# KiCad board boatcontrol.kicad_pcb (continued)
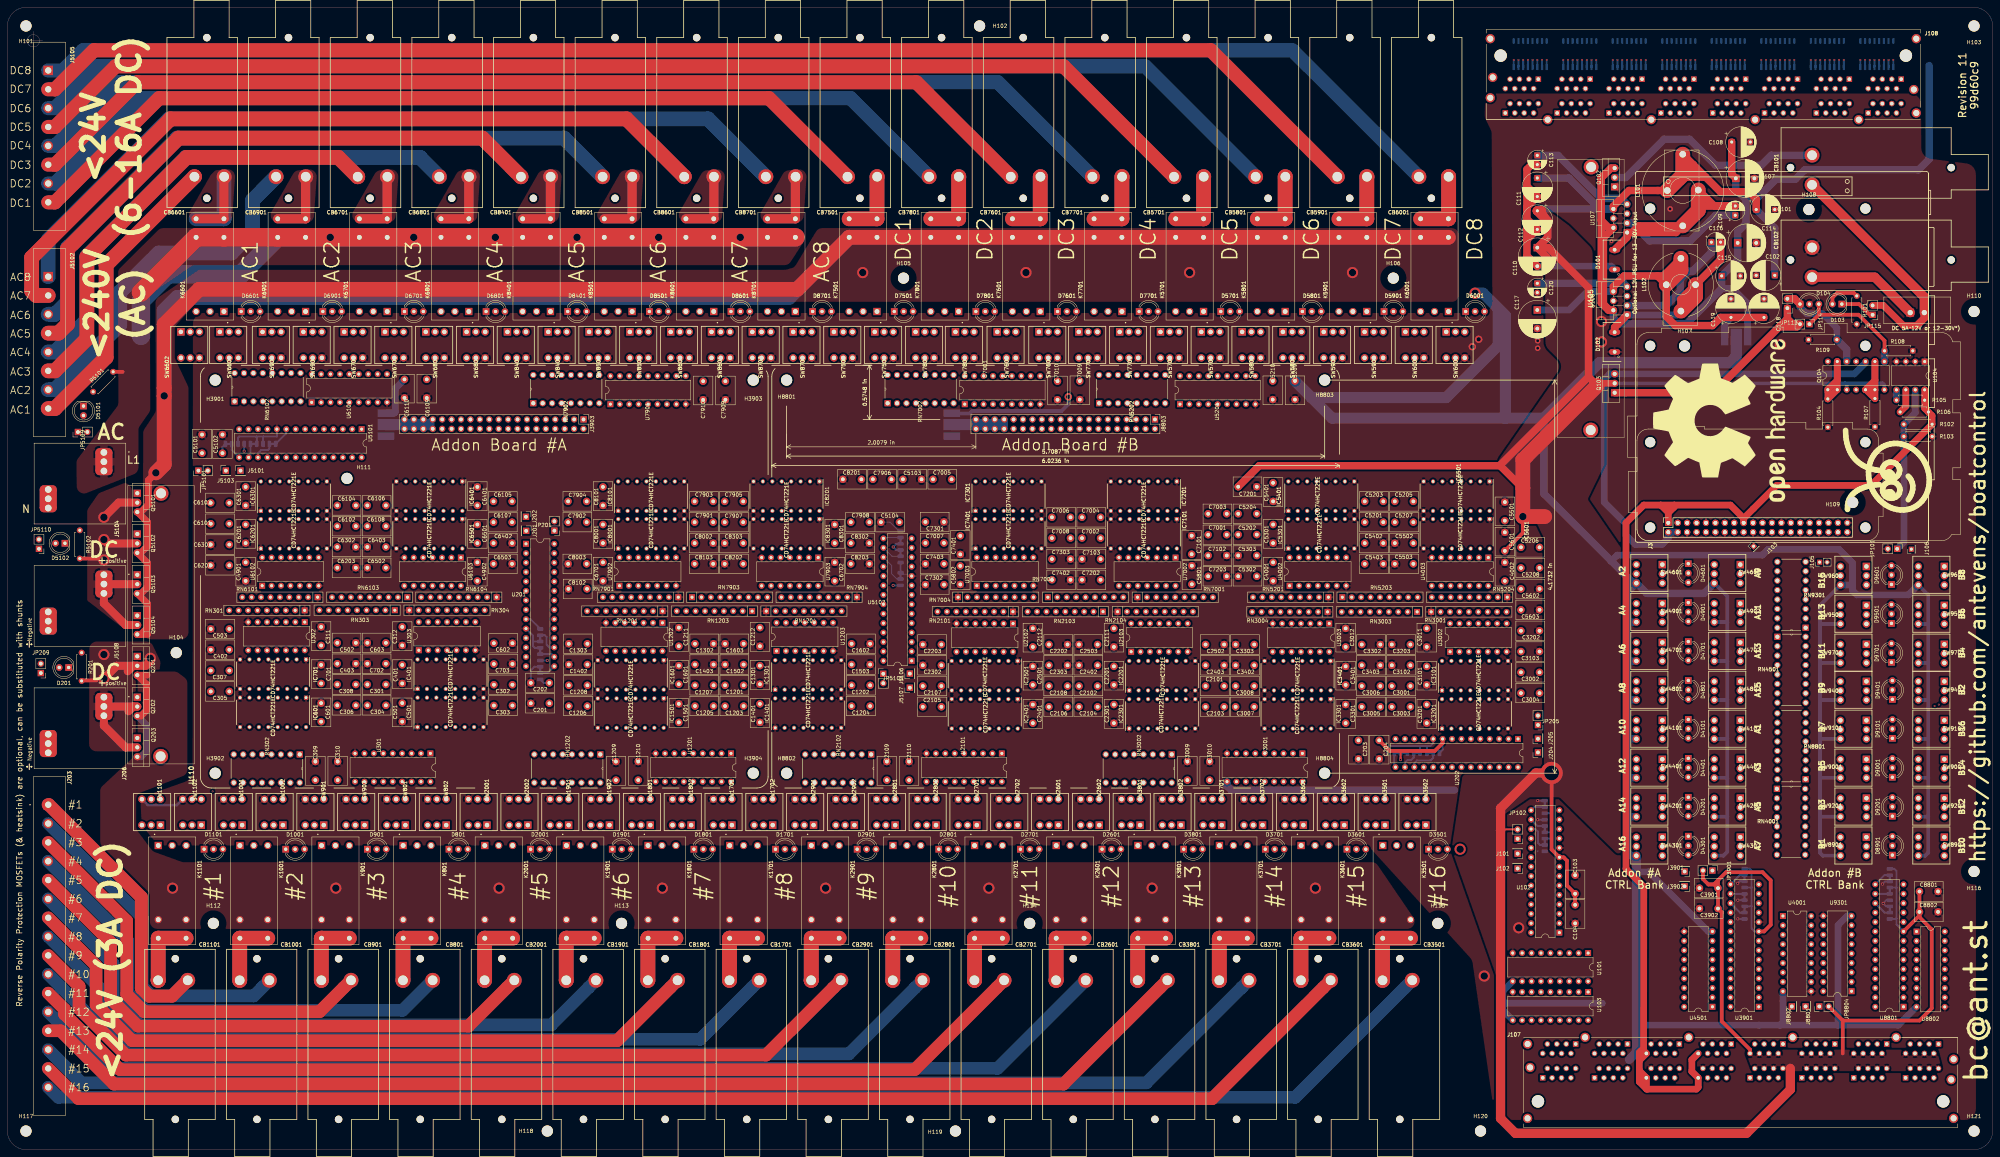
[diagram p0: board, top side]
## Nets (continued)
/12V DC Common Bank/12V DC Block 3/3AC1/DISABLED_INDICATOR: SW2901.3 SW2902.3
/12V DC Common Bank/12V DC Block 3/3AC1/OFF: SW2901.4 U2101.11
/12V DC Common Bank/12V DC Block 3/3AC1/OFF_COIL: K2901.8 RN2102.7 SW2902.2
/12V DC Common Bank/12V DC Block 3/3AC1/OFF_LED: D2901.3 RN2102.10
/12V DC Common Bank/12V DC Block 3/3AC1/OFF_TO_ON: SW2901.5 SW2902.1
/12V DC Common Bank/12V DC Block 3/3AC1/ON: SW2902.4 U2101.12
/12V DC Common Bank/12V DC Block 3/3AC1/ON_COIL: K2901.1 RN2102.8 SW2901.2
/12V DC Common Bank/12V DC Block 3/3AC1/ON_LED: D2901.1 RN2102.9
/12V DC Common Bank/12V DC Block 3/3AC1/ON_TO_OFF: SW2901.1 SW2902.5
/12V DC Common Bank/12V DC Block 3/3AC1/TO_FUSE: CB2901.P1 K2901.4 K2901.5
/12V DC Common Bank/12V DC Block 3/3AC2/DISABLED_INDICATOR: SW2801.3 SW2802.3
/12V DC Common Bank/12V DC Block 3/3AC2/OFF: SW2801.4 U2101.13
/12V DC Common Bank/12V DC Block 3/3AC2/OFF_COIL: K2801.8 RN2102.5 SW2802.2
/12V DC Common Bank/12V DC Block 3/3AC2/OFF_LED: D2801.3 RN2102.12
/12V DC Common Bank/12V DC Block 3/3AC2/OFF_TO_ON: SW2801.5 SW2802.1
/12V DC Common Bank/12V DC Block 3/3AC2/ON: SW2802.4 U2101.14
/12V DC Common Bank/12V DC Block 3/3AC2/ON_COIL: K2801.1 RN2102.6 SW2801.2
/12V DC Common Bank/12V DC Block 3/3AC2/ON_LED: D2801.1 RN2102.11
/12V DC Common Bank/12V DC Block 3/3AC2/ON_TO_OFF: SW2801.1 SW2802.5
/12V DC Common Bank/12V DC Block 3/3AC2/TO_FUSE: CB2801.P1 K2801.4 K2801.5
/12V DC Common Bank/12V DC Block 3/3AC3/DISABLED_INDICATOR: SW2701.3 SW2702.3
/12V DC Common Bank/12V DC Block 3/3AC3/OFF: SW2701.4 U2101.15
/12V DC Common Bank/12V DC Block 3/3AC3/OFF_COIL: K2701.8 RN2102.3 SW2702.2
/12V DC Common Bank/12V DC Block 3/3AC3/OFF_LED: D2701.3 RN2102.14
/12V DC Common Bank/12V DC Block 3/3AC3/OFF_TO_ON: SW2701.5 SW2702.1
/12V DC Common Bank/12V DC Block 3/3AC3/ON: SW2702.4 U2101.16
/12V DC Common Bank/12V DC Block 3/3AC3/ON_COIL: K2701.1 RN2102.4 SW2701.2
/12V DC Common Bank/12V DC Block 3/3AC3/ON_LED: D2701.1 RN2102.13
/12V DC Common Bank/12V DC Block 3/3AC3/ON_TO_OFF: SW2701.1 SW2702.5
/12V DC Common Bank/12V DC Block 3/3AC3/TO_FUSE: CB2701.P1 K2701.4 K2701.5
/12V DC Common Bank/12V DC Block 3/3AC4/DISABLED_INDICATOR: SW2601.3 SW2602.3
/12V DC Common Bank/12V DC Block 3/3AC4/OFF: SW2601.4 U2101.17
/12V DC Common Bank/12V DC Block 3/3AC4/OFF_COIL: K2601.8 RN2102.1 SW2602.2
/12V DC Common Bank/12V DC Block 3/3AC4/OFF_LED: D2601.3 RN2102.16
/12V DC Common Bank/12V DC Block 3/3AC4/OFF_TO_ON: SW2601.5 SW2602.1
/12V DC Common Bank/12V DC Block 3/3AC4/ON: SW2602.4 U2101.18
/12V DC Common Bank/12V DC Block 3/3AC4/ON_COIL: K2601.1 RN2102.2 SW2601.2
/12V DC Common Bank/12V DC Block 3/3AC4/ON_LED: D2601.1 RN2102.15
/12V DC Common Bank/12V DC Block 3/3AC4/ON_TO_OFF: SW2601.1 SW2602.5
/12V DC Common Bank/12V DC Block 3/3AC4/TO_FUSE: CB2601.P1 K2601.4 K2601.5
/12V DC Common Bank/12V DC Block 3/DIG_OFF_C1: RN2101.4 U202.2 U2102.4
/12V DC Common Bank/12V DC Block 3/DIG_OFF_C2: RN2101.9 U202.4 U2102.12
/12V DC Common Bank/12V DC Block 3/DIG_OFF_C3: RN2104.4 U202.6 U2103.4
/12V DC Common Bank/12V DC Block 3/DIG_OFF_C4: RN2104.7 U202.8 U2103.12
/12V DC Common Bank/12V DC Block 3/DIG_ON_C1: RN2101.2 U202.1 U2102.1
/12V DC Common Bank/12V DC Block 3/DIG_ON_C2: RN2101.7 U202.3 U2102.9
/12V DC Common Bank/12V DC Block 3/DIG_ON_C3: RN2104.2 U202.5 U2103.1
/12V DC Common Bank/12V DC Block 3/DIG_ON_C4: RN2104.9 U202.7 U2103.9
/12V DC Common Bank/12V DC Block 3/MultiVibrator3A1/MUX_OFF: IC2201.5 U2101.2
/12V DC Common Bank/12V DC Block 3/MultiVibrator3A1/MUX_ON: IC2201.13 U2101.1
/12V DC Common Bank/12V DC Block 3/MultiVibrator3A1/R1: C2101.1 IC2201.14 RN2103.4
/12V DC Common Bank/12V DC Block 3/MultiVibrator3A1/R2: C2102.1 IC2201.6 RN2103.3
/12V DC Common Bank/12V DC Block 3/MultiVibrator3A1/RC1: C2101.2 IC2201.15
/12V DC Common Bank/12V DC Block 3/MultiVibrator3A1/RC2: C2102.2 IC2201.7
/12V DC Common Bank/12V DC Block 3/MultiVibrator3A2/MUX_OFF: IC2301.5 U2101.4
/12V DC Common Bank/12V DC Block 3/MultiVibrator3A2/MUX_ON: IC2301.13 U2101.3
/12V DC Common Bank/12V DC Block 3/MultiVibrator3A2/R1: C2103.1 IC2301.14 RN2103.2
/12V DC Common Bank/12V DC Block 3/MultiVibrator3A2/R2: C2104.1 IC2301.6 RN2103.5
/12V DC Common Bank/12V DC Block 3/MultiVibrator3A2/RC1: C2103.2 IC2301.15
/12V DC Common Bank/12V DC Block 3/MultiVibrator3A2/RC2: C2104.2 IC2301.7
/12V DC Common Bank/12V DC Block 3/MultiVibrator3A3/MUX_OFF: IC2401.5 U2101.6
/12V DC Common Bank/12V DC Block 3/MultiVibrator3A3/MUX_ON: IC2401.13 U2101.5
/12V DC Common Bank/12V DC Block 3/MultiVibrator3A3/R1: C2105.1 IC2401.14 RN2103.7
/12V DC Common Bank/12V DC Block 3/MultiVibrator3A3/R2: C2106.1 IC2401.6 RN2103.6
/12V DC Common Bank/12V DC Block 3/MultiVibrator3A3/RC1: C2105.2 IC2401.15
/12V DC Common Bank/12V DC Block 3/MultiVibrator3A3/RC2: C2106.2 IC2401.7
/12V DC Common Bank/12V DC Block 3/MultiVibrator3A4/MUX_OFF: IC2501.5 U2101.8
/12V DC Common Bank/12V DC Block 3/MultiVibrator3A4/MUX_ON: IC2501.13 U2101.7
/12V DC Common Bank/12V DC Block 3/MultiVibrator3A4/R1: C2107.1 IC2501.14 RN2103.8
/12V DC Common Bank/12V DC Block 3/MultiVibrator3A4/R2: C2108.1 IC2501.6 RN2103.9
/12V DC Common Bank/12V DC Block 3/MultiVibrator3A4/RC1: C2107.2 IC2501.15
/12V DC Common Bank/12V DC Block 3/MultiVibrator3A4/RC2: C2108.2 IC2501.7
/12V DC Common Bank/12V DC Block 3/OUT_C1: CB2901.P2 J203.9
/12V DC Common Bank/12V DC Block 3/OUT_C2: CB2801.P2 J203.10
/12V DC Common Bank/12V DC Block 3/OUT_C3: CB2701.P2 J203.11
/12V DC Common Bank/12V DC Block 3/OUT_C4: CB2601.P2 J203.12
/12V DC Common Bank/12V DC Block 4/3AC1/DISABLED_INDICATOR: SW3801.3 SW3802.3
/12V DC Common Bank/12V DC Block 4/3AC1/OFF: SW3801.4 U3001.11
/12V DC Common Bank/12V DC Block 4/3AC1/OFF_COIL: K3801.8 RN3002.7 SW3802.2
/12V DC Common Bank/12V DC Block 4/3AC1/OFF_LED: D3801.3 RN3002.10
/12V DC Common Bank/12V DC Block 4/3AC1/OFF_TO_ON: SW3801.5 SW3802.1
/12V DC Common Bank/12V DC Block 4/3AC1/ON: SW3802.4 U3001.12
/12V DC Common Bank/12V DC Block 4/3AC1/ON_COIL: K3801.1 RN3002.8 SW3801.2
/12V DC Common Bank/12V DC Block 4/3AC1/ON_LED: D3801.1 RN3002.9
/12V DC Common Bank/12V DC Block 4/3AC1/ON_TO_OFF: SW3801.1 SW3802.5
/12V DC Common Bank/12V DC Block 4/3AC1/TO_FUSE: CB3801.P1 K3801.4 K3801.5
/12V DC Common Bank/12V DC Block 4/3AC2/DISABLED_INDICATOR: SW3701.3 SW3702.3
/12V DC Common Bank/12V DC Block 4/3AC2/OFF: SW3701.4 U3001.13
/12V DC Common Bank/12V DC Block 4/3AC2/OFF_COIL: K3701.8 RN3002.5 SW3702.2
/12V DC Common Bank/12V DC Block 4/3AC2/OFF_LED: D3701.3 RN3002.12
/12V DC Common Bank/12V DC Block 4/3AC2/OFF_TO_ON: SW3701.5 SW3702.1
/12V DC Common Bank/12V DC Block 4/3AC2/ON: SW3702.4 U3001.14
/12V DC Common Bank/12V DC Block 4/3AC2/ON_COIL: K3701.1 RN3002.6 SW3701.2
/12V DC Common Bank/12V DC Block 4/3AC2/ON_LED: D3701.1 RN3002.11
/12V DC Common Bank/12V DC Block 4/3AC2/ON_TO_OFF: SW3701.1 SW3702.5
/12V DC Common Bank/12V DC Block 4/3AC2/TO_FUSE: CB3701.P1 K3701.4 K3701.5
/12V DC Common Bank/12V DC Block 4/3AC3/DISABLED_INDICATOR: SW3601.3 SW3602.3
/12V DC Common Bank/12V DC Block 4/3AC3/OFF: SW3601.4 U3001.15
/12V DC Common Bank/12V DC Block 4/3AC3/OFF_COIL: K3601.8 RN3002.3 SW3602.2
/12V DC Common Bank/12V DC Block 4/3AC3/OFF_LED: D3601.3 RN3002.14
/12V DC Common Bank/12V DC Block 4/3AC3/OFF_TO_ON: SW3601.5 SW3602.1
/12V DC Common Bank/12V DC Block 4/3AC3/ON: SW3602.4 U3001.16
/12V DC Common Bank/12V DC Block 4/3AC3/ON_COIL: K3601.1 RN3002.4 SW3601.2
/12V DC Common Bank/12V DC Block 4/3AC3/ON_LED: D3601.1 RN3002.13
/12V DC Common Bank/12V DC Block 4/3AC3/ON_TO_OFF: SW3601.1 SW3602.5
/12V DC Common Bank/12V DC Block 4/3AC3/TO_FUSE: CB3601.P1 K3601.4 K3601.5
/12V DC Common Bank/12V DC Block 4/3AC4/DISABLED_INDICATOR: SW3501.3 SW3502.3
/12V DC Common Bank/12V DC Block 4/3AC4/OFF: SW3501.4 U3001.17
/12V DC Common Bank/12V DC Block 4/3AC4/OFF_COIL: K3501.8 RN3002.1 SW3502.2
/12V DC Common Bank/12V DC Block 4/3AC4/OFF_LED: D3501.3 RN3002.16
/12V DC Common Bank/12V DC Block 4/3AC4/OFF_TO_ON: SW3501.5 SW3502.1
/12V DC Common Bank/12V DC Block 4/3AC4/ON: SW3502.4 U3001.18
/12V DC Common Bank/12V DC Block 4/3AC4/ON_COIL: K3501.1 RN3002.2 SW3501.2
/12V DC Common Bank/12V DC Block 4/3AC4/ON_LED: D3501.1 RN3002.15
/12V DC Common Bank/12V DC Block 4/3AC4/ON_TO_OFF: SW3501.1 SW3502.5
/12V DC Common Bank/12V DC Block 4/3AC4/TO_FUSE: CB3501.P1 K3501.4 K3501.5
/12V DC Common Bank/12V DC Block 4/DIG_OFF_C1: RN3001.4 U202.22 U3002.4
/12V DC Common Bank/12V DC Block 4/DIG_OFF_C2: RN3001.9 U202.24 U3002.12
/12V DC Common Bank/12V DC Block 4/DIG_OFF_C3: RN3004.4 U202.26 U3003.4
/12V DC Common Bank/12V DC Block 4/DIG_OFF_C4: RN3004.7 U202.28 U3003.12
/12V DC Common Bank/12V DC Block 4/DIG_ON_C1: RN3001.2 U202.21 U3002.1
/12V DC Common Bank/12V DC Block 4/DIG_ON_C2: RN3001.7 U202.23 U3002.9
/12V DC Common Bank/12V DC Block 4/DIG_ON_C3: RN3004.2 U202.25 U3003.1
/12V DC Common Bank/12V DC Block 4/DIG_ON_C4: RN3004.9 U202.27 U3003.9
/12V DC Common Bank/12V DC Block 4/MultiVibrator3A1/MUX_OFF: IC3101.5 U3001.2
/12V DC Common Bank/12V DC Block 4/MultiVibrator3A1/MUX_ON: IC3101.13 U3001.1
/12V DC Common Bank/12V DC Block 4/MultiVibrator3A1/R1: C3001.1 IC3101.14 RN3003.4
/12V DC Common Bank/12V DC Block 4/MultiVibrator3A1/R2: C3002.1 IC3101.6 RN3003.3
/12V DC Common Bank/12V DC Block 4/MultiVibrator3A1/RC1: C3001.2 IC3101.15
/12V DC Common Bank/12V DC Block 4/MultiVibrator3A1/RC2: C3002.2 IC3101.7
/12V DC Common Bank/12V DC Block 4/MultiVibrator3A2/MUX_OFF: IC3201.5 U3001.4
/12V DC Common Bank/12V DC Block 4/MultiVibrator3A2/MUX_ON: IC3201.13 U3001.3
/12V DC Common Bank/12V DC Block 4/MultiVibrator3A2/R1: C3003.1 IC3201.14 RN3003.2
/12V DC Common Bank/12V DC Block 4/MultiVibrator3A2/R2: C3004.1 IC3201.6 RN3003.5
/12V DC Common Bank/12V DC Block 4/MultiVibrator3A2/RC1: C3003.2 IC3201.15
/12V DC Common Bank/12V DC Block 4/MultiVibrator3A2/RC2: C3004.2 IC3201.7
/12V DC Common Bank/12V DC Block 4/MultiVibrator3A3/MUX_OFF: IC3301.5 U3001.6
/12V DC Common Bank/12V DC Block 4/MultiVibrator3A3/MUX_ON: IC3301.13 U3001.5
/12V DC Common Bank/12V DC Block 4/MultiVibrator3A3/R1: C3005.1 IC3301.14 RN3003.7
/12V DC Common Bank/12V DC Block 4/MultiVibrator3A3/R2: C3006.1 IC3301.6 RN3003.6
/12V DC Common Bank/12V DC Block 4/MultiVibrator3A3/RC1: C3005.2 IC3301.15
/12V DC Common Bank/12V DC Block 4/MultiVibrator3A3/RC2: C3006.2 IC3301.7
/12V DC Common Bank/12V DC Block 4/MultiVibrator3A4/MUX_OFF: IC3401.5 U3001.8
/12V DC Common Bank/12V DC Block 4/MultiVibrator3A4/MUX_ON: IC3401.13 U3001.7
/12V DC Common Bank/12V DC Block 4/MultiVibrator3A4/R1: C3007.1 IC3401.14 RN3003.8
/12V DC Common Bank/12V DC Block 4/MultiVibrator3A4/R2: C3008.1 IC3401.6 RN3003.9
/12V DC Common Bank/12V DC Block 4/MultiVibrator3A4/RC1: C3007.2 IC3401.15
/12V DC Common Bank/12V DC Block 4/MultiVibrator3A4/RC2: C3008.2 IC3401.7
/12V DC Common Bank/12V DC Block 4/OUT_C1: CB3801.P2 J203.13
/12V DC Common Bank/12V DC Block 4/OUT_C2: CB3701.P2 J203.14
/12V DC Common Bank/12V DC Block 4/OUT_C3: CB3601.P2 J203.15
/12V DC Common Bank/12V DC Block 4/OUT_C4: CB3501.P2 J203.16
/A1: J108.P_1 RN101.1
/A2: J108.P_3 RN101.2
/A3: J108.P_5 RN101.3
/A4: J108.P_7 RN101.4
/Add-On Relay Board 1/A2C_A1: JP111.2 U3901.16
/Add-On Relay Board 1/ADDON_C1_OFF: J107.E_5 RN4001.10 U3901.2 U4001.7
/Add-On Relay Board 1/ADDON_C1_ON: J107.E_7 RN4001.9 U3901.1 U4001.8
/Add-On Relay Board 1/ADDON_C2_OFF: J107.E_1 RN4001.12 U3901.4 U4001.5
/Add-On Relay Board 1/ADDON_C2_ON: J107.E_3 RN4001.11 U3901.3 U4001.6
/Add-On Relay Board 1/ADDON_C3_OFF: J107.F_5 RN4001.14 U3901.6 U4001.3
/Add-On Relay Board 1/ADDON_C3_ON: J107.F_7 RN4001.13 U3901.5 U4001.4
/Add-On Relay Board 1/ADDON_C4_OFF: J107.F_1 RN4001.16 U3901.8 U4001.1
/Add-On Relay Board 1/ADDON_C4_ON: J107.F_3 RN4001.15 U3901.7 U4001.2
/Add-On Relay Board 1/ADDON_C5_OFF: J107.G_5 RN4501.10 U3901.22 U4501.7
/Add-On Relay Board 1/ADDON_C5_ON: J107.G_7 RN4501.9 U3901.21 U4501.8
/Add-On Relay Board 1/ADDON_C6_OFF: J107.G_1 RN4501.12 U3901.24 U4501.5
/Add-On Relay Board 1/ADDON_C6_ON: J107.G_3 RN4501.11 U3901.23 U4501.6
/Add-On Relay Board 1/ADDON_C7_OFF: J107.H_5 RN4501.14 U3901.26 U4501.3
/Add-On Relay Board 1/ADDON_C7_ON: J107.H_7 RN4501.13 U3901.25 U4501.4
/Add-On Relay Board 1/ADDON_C8_OFF: J107.H_1 RN4501.16 U3901.28 U4501.1
/Add-On Relay Board 1/ADDON_C8_ON: J107.H_3 RN4501.15 U3901.27 U4501.2
/Add-On Relay Board 1/I2C_A0: JP112.2 U3901.15
/Add-On Relay Board 1/I2C_A2: JP109.2 U3901.17
/Add-On Relay Board 1/INT_A: J3901.1 U3901.19
/Add-On Relay Board 1/INT_B: J3902.1 U3901.20
/Add-On Relay Board 1/MixedBlock1/MixedControl1/DIG_OFF: SW4101.4 U4001.17
/Add-On Relay Board 1/MixedBlock1/MixedControl1/DIG_ON: SW4102.4 U4001.18
/Add-On Relay Board 1/MixedBlock1/MixedControl1/DISABLED_INDICATOR: SW4101.3 SW4102.3
/Add-On Relay Board 1/MixedBlock1/MixedControl1/OFF_LED: D4101.3 RN4001.2
/Add-On Relay Board 1/MixedBlock1/MixedControl1/OFF_TO_ON: SW4101.1 SW4102.5
/Add-On Relay Board 1/MixedBlock1/MixedControl1/ON_LED: D4101.1 RN4001.1
/Add-On Relay Board 1/MixedBlock1/MixedControl1/ON_TO_OFF: SW4101.5 SW4102.1
/Add-On Relay Board 1/MixedBlock1/MixedControl2/DIG_OFF: SW4401.4 U4001.15
/Add-On Relay Board 1/MixedBlock1/MixedControl2/DIG_ON: SW4402.4 U4001.16
/Add-On Relay Board 1/MixedBlock1/MixedControl2/DISABLED_INDICATOR: SW4401.3 SW4402.3
/Add-On Relay Board 1/MixedBlock1/MixedControl2/OFF_LED: D4401.3 RN4001.4
/Add-On Relay Board 1/MixedBlock1/MixedControl2/OFF_TO_ON: SW4401.1 SW4402.5
/Add-On Relay Board 1/MixedBlock1/MixedControl2/ON_LED: D4401.1 RN4001.3
/Add-On Relay Board 1/MixedBlock1/MixedControl2/ON_TO_OFF: SW4401.5 SW4402.1
/Add-On Relay Board 1/MixedBlock1/MixedControl3/DIG_OFF: SW4201.4 U4001.13
/Add-On Relay Board 1/MixedBlock1/MixedControl3/DIG_ON: SW4202.4 U4001.14
/Add-On Relay Board 1/MixedBlock1/MixedControl3/DISABLED_INDICATOR: SW4201.3 SW4202.3
/Add-On Relay Board 1/MixedBlock1/MixedControl3/OFF_LED: D4201.3 RN4001.6
/Add-On Relay Board 1/MixedBlock1/MixedControl3/OFF_TO_ON: SW4201.1 SW4202.5
/Add-On Relay Board 1/MixedBlock1/MixedControl3/ON_LED: D4201.1 RN4001.5
/Add-On Relay Board 1/MixedBlock1/MixedControl3/ON_TO_OFF: SW4201.5 SW4202.1
/Add-On Relay Board 1/MixedBlock1/MixedControl4/DIG_OFF: SW4301.4 U4001.11
/Add-On Relay Board 1/MixedBlock1/MixedControl4/DIG_ON: SW4302.4 U4001.12
/Add-On Relay Board 1/MixedBlock1/MixedControl4/DISABLED_INDICATOR: SW4301.3 SW4302.3
/Add-On Relay Board 1/MixedBlock1/MixedControl4/OFF_LED: D4301.3 RN4001.8
/Add-On Relay Board 1/MixedBlock1/MixedControl4/OFF_TO_ON: SW4301.1 SW4302.5
/Add-On Relay Board 1/MixedBlock1/MixedControl4/ON_LED: D4301.1 RN4001.7
/Add-On Relay Board 1/MixedBlock1/MixedControl4/ON_TO_OFF: SW4301.5 SW4302.1
/Add-On Relay Board 1/MixedBlock1/OFF_SIGNAL_1: J3903.19 J3903.20 SW4101.2
/Add-On Relay Board 1/MixedBlock1/OFF_SIGNAL_2: J3903.23 J3903.24 SW4401.2
/Add-On Relay Board 1/MixedBlock1/OFF_SIGNAL_3: J3903.27 J3903.28 SW4201.2
/Add-On Relay Board 1/MixedBlock1/OFF_SIGNAL_4: J3903.31 J3903.32 SW4301.2
/Add-On Relay Board 1/MixedBlock1/ON_SIGNAL_1: J3903.1 J3903.2 SW4102.2
/Add-On Relay Board 1/MixedBlock1/ON_SIGNAL_2: J3903.5 J3903.6 SW4402.2
/Add-On Relay Board 1/MixedBlock1/ON_SIGNAL_3: J3903.9 J3903.10 SW4202.2
/Add-On Relay Board 1/MixedBlock1/ON_SIGNAL_4: J3903.13 J3903.14 SW4302.2
/Add-On Relay Board 1/MixedBlock2/MixedControl1/DIG_OFF: SW4601.4 U4501.17
/Add-On Relay Board 1/MixedBlock2/MixedControl1/DIG_ON: SW4602.4 U4501.18
/Add-On Relay Board 1/MixedBlock2/MixedControl1/DISABLED_INDICATOR: SW4601.3 SW4602.3
/Add-On Relay Board 1/MixedBlock2/MixedControl1/OFF_LED: D4601.3 RN4501.2
/Add-On Relay Board 1/MixedBlock2/MixedControl1/OFF_TO_ON: SW4601.1 SW4602.5
/Add-On Relay Board 1/MixedBlock2/MixedControl1/ON_LED: D4601.1 RN4501.1
/Add-On Relay Board 1/MixedBlock2/MixedControl1/ON_TO_OFF: SW4601.5 SW4602.1
/Add-On Relay Board 1/MixedBlock2/MixedControl2/DIG_OFF: SW4901.4 U4501.15
/Add-On Relay Board 1/MixedBlock2/MixedControl2/DIG_ON: SW4902.4 U4501.16
/Add-On Relay Board 1/MixedBlock2/MixedControl2/DISABLED_INDICATOR: SW4901.3 SW4902.3
/Add-On Relay Board 1/MixedBlock2/MixedControl2/OFF_LED: D4901.3 RN4501.4
/Add-On Relay Board 1/MixedBlock2/MixedControl2/OFF_TO_ON: SW4901.1 SW4902.5
/Add-On Relay Board 1/MixedBlock2/MixedControl2/ON_LED: D4901.1 RN4501.3
/Add-On Relay Board 1/MixedBlock2/MixedControl2/ON_TO_OFF: SW4901.5 SW4902.1
/Add-On Relay Board 1/MixedBlock2/MixedControl3/DIG_OFF: SW4701.4 U4501.13
/Add-On Relay Board 1/MixedBlock2/MixedControl3/DIG_ON: SW4702.4 U4501.14
/Add-On Relay Board 1/MixedBlock2/MixedControl3/DISABLED_INDICATOR: SW4701.3 SW4702.3
/Add-On Relay Board 1/MixedBlock2/MixedControl3/OFF_LED: D4701.3 RN4501.6
/Add-On Relay Board 1/MixedBlock2/MixedControl3/OFF_TO_ON: SW4701.1 SW4702.5
/Add-On Relay Board 1/MixedBlock2/MixedControl3/ON_LED: D4701.1 RN4501.5
/Add-On Relay Board 1/MixedBlock2/MixedControl3/ON_TO_OFF: SW4701.5 SW4702.1
/Add-On Relay Board 1/MixedBlock2/MixedControl4/DIG_OFF: SW4801.4 U4501.11
/Add-On Relay Board 1/MixedBlock2/MixedControl4/DIG_ON: SW4802.4 U4501.12
/Add-On Relay Board 1/MixedBlock2/MixedControl4/DISABLED_INDICATOR: SW4801.3 SW4802.3
/Add-On Relay Board 1/MixedBlock2/MixedControl4/OFF_LED: D4801.3 RN4501.8
/Add-On Relay Board 1/MixedBlock2/MixedControl4/OFF_TO_ON: SW4801.1 SW4802.5
/Add-On Relay Board 1/MixedBlock2/MixedControl4/ON_LED: D4801.1 RN4501.7
/Add-On Relay Board 1/MixedBlock2/MixedControl4/ON_TO_OFF: SW4801.5 SW4802.1
/Add-On Relay Board 1/MixedBlock2/OFF_SIGNAL_1: J3903.3 J3903.4 SW4601.2
/Add-On Relay Board 1/MixedBlock2/OFF_SIGNAL_2: J3903.7 J3903.8 SW4901.2
/Add-On Relay Board 1/MixedBlock2/OFF_SIGNAL_3: J3903.11 J3903.12 SW4701.2
/Add-On Relay Board 1/MixedBlock2/OFF_SIGNAL_4: J3903.15 J3903.16 SW4801.2
/Add-On Relay Board 1/MixedBlock2/ON_SIGNAL_1: J3903.17 J3903.18 SW4602.2
/Add-On Relay Board 1/MixedBlock2/ON_SIGNAL_2: J3903.21 J3903.22 SW4902.2
/Add-On Relay Board 1/MixedBlock2/ON_SIGNAL_3: J3903.25 J3903.26 SW4702.2
/Add-On Relay Board 1/MixedBlock2/ON_SIGNAL_4: J3903.29 J3903.30 SW4802.2
/Add-On Relay Board 1/RST: JP3901.1 U3901.18
/Add-On Relay Board 2/A2C_A1: JP107.2 U8801.16
/Add-On Relay Board 2/ADDON_C1_OFF: J107.M_3 RN8801.10 U8801.2 U8802.7
/Add-On Relay Board 2/ADDON_C1_ON: J107.M_1 RN8801.9 U8801.1 U8802.8
/Add-On Relay Board 2/ADDON_C2_OFF: J107.M_7 RN8801.12 U8801.4 U8802.5
/Add-On Relay Board 2/ADDON_C2_ON: J107.M_5 RN8801.11 U8801.3 U8802.6
/Add-On Relay Board 2/ADDON_C3_OFF: J107.N_3 RN8801.14 U8801.6 U8802.3
/Add-On Relay Board 2/ADDON_C3_ON: J107.N_1 RN8801.13 U8801.5 U8802.4
/Add-On Relay Board 2/ADDON_C4_OFF: J107.N_7 RN8801.16 U8801.8 U8802.1
/Add-On Relay Board 2/ADDON_C4_ON: J107.N_5 RN8801.15 U8801.7 U8802.2
/Add-On Relay Board 2/ADDON_C5_OFF: J107.O_3 RN9301.10 U8801.22 U9301.7
/Add-On Relay Board 2/ADDON_C5_ON: J107.O_1 RN9301.9 U8801.21 U9301.8
/Add-On Relay Board 2/ADDON_C6_OFF: J107.O_7 RN9301.12 U8801.24 U9301.5
/Add-On Relay Board 2/ADDON_C6_ON: J107.O_5 RN9301.11 U8801.23 U9301.6
/Add-On Relay Board 2/ADDON_C7_OFF: J107.P_3 RN9301.14 U8801.26 U9301.3
/Add-On Relay Board 2/ADDON_C7_ON: J107.P_1 RN9301.13 U8801.25 U9301.4
/Add-On Relay Board 2/ADDON_C8_OFF: J107.P_7 RN9301.16 U8801.28 U9301.1
/Add-On Relay Board 2/ADDON_C8_ON: J107.P_5 RN9301.15 U8801.27 U9301.2
/Add-On Relay Board 2/I2C_A0: JP108.2 U8801.15
/Add-On Relay Board 2/I2C_A2: JP106.2 U8801.17
/Add-On Relay Board 2/INT_A: J8801.1 U8801.19
/Add-On Relay Board 2/INT_B: J8802.1 U8801.20
/Add-On Relay Board 2/MixedBlock1/MixedControl1/DIG_OFF: SW8902.4 U8802.17
/Add-On Relay Board 2/MixedBlock1/MixedControl1/DIG_ON: SW8901.4 U8802.18
/Add-On Relay Board 2/MixedBlock1/MixedControl1/DISABLED_INDICATOR: SW8901.3 SW8902.3
/Add-On Relay Board 2/MixedBlock1/MixedControl1/OFF_LED: D8901.3 RN8801.2
/Add-On Relay Board 2/MixedBlock1/MixedControl1/OFF_TO_ON: SW8901.5 SW8902.1
/Add-On Relay Board 2/MixedBlock1/MixedControl1/ON_LED: D8901.1 RN8801.1
/Add-On Relay Board 2/MixedBlock1/MixedControl1/ON_TO_OFF: SW8901.1 SW8902.5
/Add-On Relay Board 2/MixedBlock1/MixedControl2/DIG_OFF: SW9202.4 U8802.15
/Add-On Relay Board 2/MixedBlock1/MixedControl2/DIG_ON: SW9201.4 U8802.16
/Add-On Relay Board 2/MixedBlock1/MixedControl2/DISABLED_INDICATOR: SW9201.3 SW9202.3
/Add-On Relay Board 2/MixedBlock1/MixedControl2/OFF_LED: D9201.3 RN8801.4
/Add-On Relay Board 2/MixedBlock1/MixedControl2/OFF_TO_ON: SW9201.5 SW9202.1
/Add-On Relay Board 2/MixedBlock1/MixedControl2/ON_LED: D9201.1 RN8801.3
/Add-On Relay Board 2/MixedBlock1/MixedControl2/ON_TO_OFF: SW9201.1 SW9202.5
/Add-On Relay Board 2/MixedBlock1/MixedControl3/DIG_OFF: SW9002.4 U8802.13
/Add-On Relay Board 2/MixedBlock1/MixedControl3/DIG_ON: SW9001.4 U8802.14
/Add-On Relay Board 2/MixedBlock1/MixedControl3/DISABLED_INDICATOR: SW9001.3 SW9002.3
/Add-On Relay Board 2/MixedBlock1/MixedControl3/OFF_LED: D9001.3 RN8801.6
/Add-On Relay Board 2/MixedBlock1/MixedControl3/OFF_TO_ON: SW9001.5 SW9002.1
/Add-On Relay Board 2/MixedBlock1/MixedControl3/ON_LED: D9001.1 RN8801.5
/Add-On Relay Board 2/MixedBlock1/MixedControl3/ON_TO_OFF: SW9001.1 SW9002.5
/Add-On Relay Board 2/MixedBlock1/MixedControl4/DIG_OFF: SW9102.4 U8802.11
/Add-On Relay Board 2/MixedBlock1/MixedControl4/DIG_ON: SW9101.4 U8802.12
/Add-On Relay Board 2/MixedBlock1/MixedControl4/DISABLED_INDICATOR: SW9101.3 SW9102.3
/Add-On Relay Board 2/MixedBlock1/MixedControl4/OFF_LED: D9101.3 RN8801.8
/Add-On Relay Board 2/MixedBlock1/MixedControl4/OFF_TO_ON: SW9101.5 SW9102.1
/Add-On Relay Board 2/MixedBlock1/MixedControl4/ON_LED: D9101.1 RN8801.7
/Add-On Relay Board 2/MixedBlock1/MixedControl4/ON_TO_OFF: SW9101.1 SW9102.5
/Add-On Relay Board 2/MixedBlock1/OFF_SIGNAL_1: J8803.19 J8803.20 SW8902.2
/Add-On Relay Board 2/MixedBlock1/OFF_SIGNAL_2: J8803.23 J8803.24 SW9202.2
/Add-On Relay Board 2/MixedBlock1/OFF_SIGNAL_3: J8803.27 J8803.28 SW9002.2
/Add-On Relay Board 2/MixedBlock1/OFF_SIGNAL_4: J8803.31 J8803.32 SW9102.2
/Add-On Relay Board 2/MixedBlock1/ON_SIGNAL_1: J8803.1 J8803.2 SW8901.2
/Add-On Relay Board 2/MixedBlock1/ON_SIGNAL_2: J8803.5 J8803.6 SW9201.2
/Add-On Relay Board 2/MixedBlock1/ON_SIGNAL_3: J8803.9 J8803.10 SW9001.2
/Add-On Relay Board 2/MixedBlock1/ON_SIGNAL_4: J8803.13 J8803.14 SW9101.2
/Add-On Relay Board 2/MixedBlock2/MixedControl1/DIG_OFF: SW9402.4 U9301.17
/Add-On Relay Board 2/MixedBlock2/MixedControl1/DIG_ON: SW9401.4 U9301.18
/Add-On Relay Board 2/MixedBlock2/MixedControl1/DISABLED_INDICATOR: SW9401.3 SW9402.3
/Add-On Relay Board 2/MixedBlock2/MixedControl1/OFF_LED: D9401.3 RN9301.2
/Add-On Relay Board 2/MixedBlock2/MixedControl1/OFF_TO_ON: SW9401.5 SW9402.1
/Add-On Relay Board 2/MixedBlock2/MixedControl1/ON_LED: D9401.1 RN9301.1
/Add-On Relay Board 2/MixedBlock2/MixedControl1/ON_TO_OFF: SW9401.1 SW9402.5
/Add-On Relay Board 2/MixedBlock2/MixedControl2/DIG_OFF: SW9702.4 U9301.15
/Add-On Relay Board 2/MixedBlock2/MixedControl2/DIG_ON: SW9701.4 U9301.16
/Add-On Relay Board 2/MixedBlock2/MixedControl2/DISABLED_INDICATOR: SW9701.3 SW9702.3
/Add-On Relay Board 2/MixedBlock2/MixedControl2/OFF_LED: D9701.3 RN9301.4
/Add-On Relay Board 2/MixedBlock2/MixedControl2/OFF_TO_ON: SW9701.5 SW9702.1
/Add-On Relay Board 2/MixedBlock2/MixedControl2/ON_LED: D9701.1 RN9301.3
/Add-On Relay Board 2/MixedBlock2/MixedControl2/ON_TO_OFF: SW9701.1 SW9702.5
/Add-On Relay Board 2/MixedBlock2/MixedControl3/DIG_OFF: SW9502.4 U9301.13
/Add-On Relay Board 2/MixedBlock2/MixedControl3/DIG_ON: SW9501.4 U9301.14
/Add-On Relay Board 2/MixedBlock2/MixedControl3/DISABLED_INDICATOR: SW9501.3 SW9502.3
/Add-On Relay Board 2/MixedBlock2/MixedControl3/OFF_LED: D9501.3 RN9301.6
/Add-On Relay Board 2/MixedBlock2/MixedControl3/OFF_TO_ON: SW9501.5 SW9502.1
/Add-On Relay Board 2/MixedBlock2/MixedControl3/ON_LED: D9501.1 RN9301.5
/Add-On Relay Board 2/MixedBlock2/MixedControl3/ON_TO_OFF: SW9501.1 SW9502.5
/Add-On Relay Board 2/MixedBlock2/MixedControl4/DIG_OFF: SW9602.4 U9301.11
/Add-On Relay Board 2/MixedBlock2/MixedControl4/DIG_ON: SW9601.4 U9301.12
/Add-On Relay Board 2/MixedBlock2/MixedControl4/DISABLED_INDICATOR: SW9601.3 SW9602.3
/Add-On Relay Board 2/MixedBlock2/MixedControl4/OFF_LED: D9601.3 RN9301.8
/Add-On Relay Board 2/MixedBlock2/MixedControl4/OFF_TO_ON: SW9601.5 SW9602.1
/Add-On Relay Board 2/MixedBlock2/MixedControl4/ON_LED: D9601.1 RN9301.7
/Add-On Relay Board 2/MixedBlock2/MixedControl4/ON_TO_OFF: SW9601.1 SW9602.5
/Add-On Relay Board 2/MixedBlock2/OFF_SIGNAL_1: J8803.3 J8803.4 SW9402.2
/Add-On Relay Board 2/MixedBlock2/OFF_SIGNAL_2: J8803.7 J8803.8 SW9702.2
/Add-On Relay Board 2/MixedBlock2/OFF_SIGNAL_3: J8803.11 J8803.12 SW9502.2
/Add-On Relay Board 2/MixedBlock2/OFF_SIGNAL_4: J8803.15 J8803.16 SW9602.2
/Add-On Relay Board 2/MixedBlock2/ON_SIGNAL_1: J8803.17 J8803.18 SW9401.2
/Add-On Relay Board 2/MixedBlock2/ON_SIGNAL_2: J8803.21 J8803.22 SW9701.2
/Add-On Relay Board 2/MixedBlock2/ON_SIGNAL_3: J8803.25 J8803.26 SW9501.2
/Add-On Relay Board 2/MixedBlock2/ON_SIGNAL_4: J8803.29 J8803.30 SW9601.2
/Add-On Relay Board 2/RST: JP8804.1 U8801.18
/B1: J108.O_1 RN102.1
/B2: J108.O_3 RN102.2
/B3: J108.O_5 RN102.3
/B4: J108.O_7 RN102.4
/C1: J108.N_1 RN103.1
/C2: J108.N_3 RN103.2
/C3: J108.N_5 RN103.3
